# Allegro board 1281021_HW-FMC-XM500_Rev1_0.brd
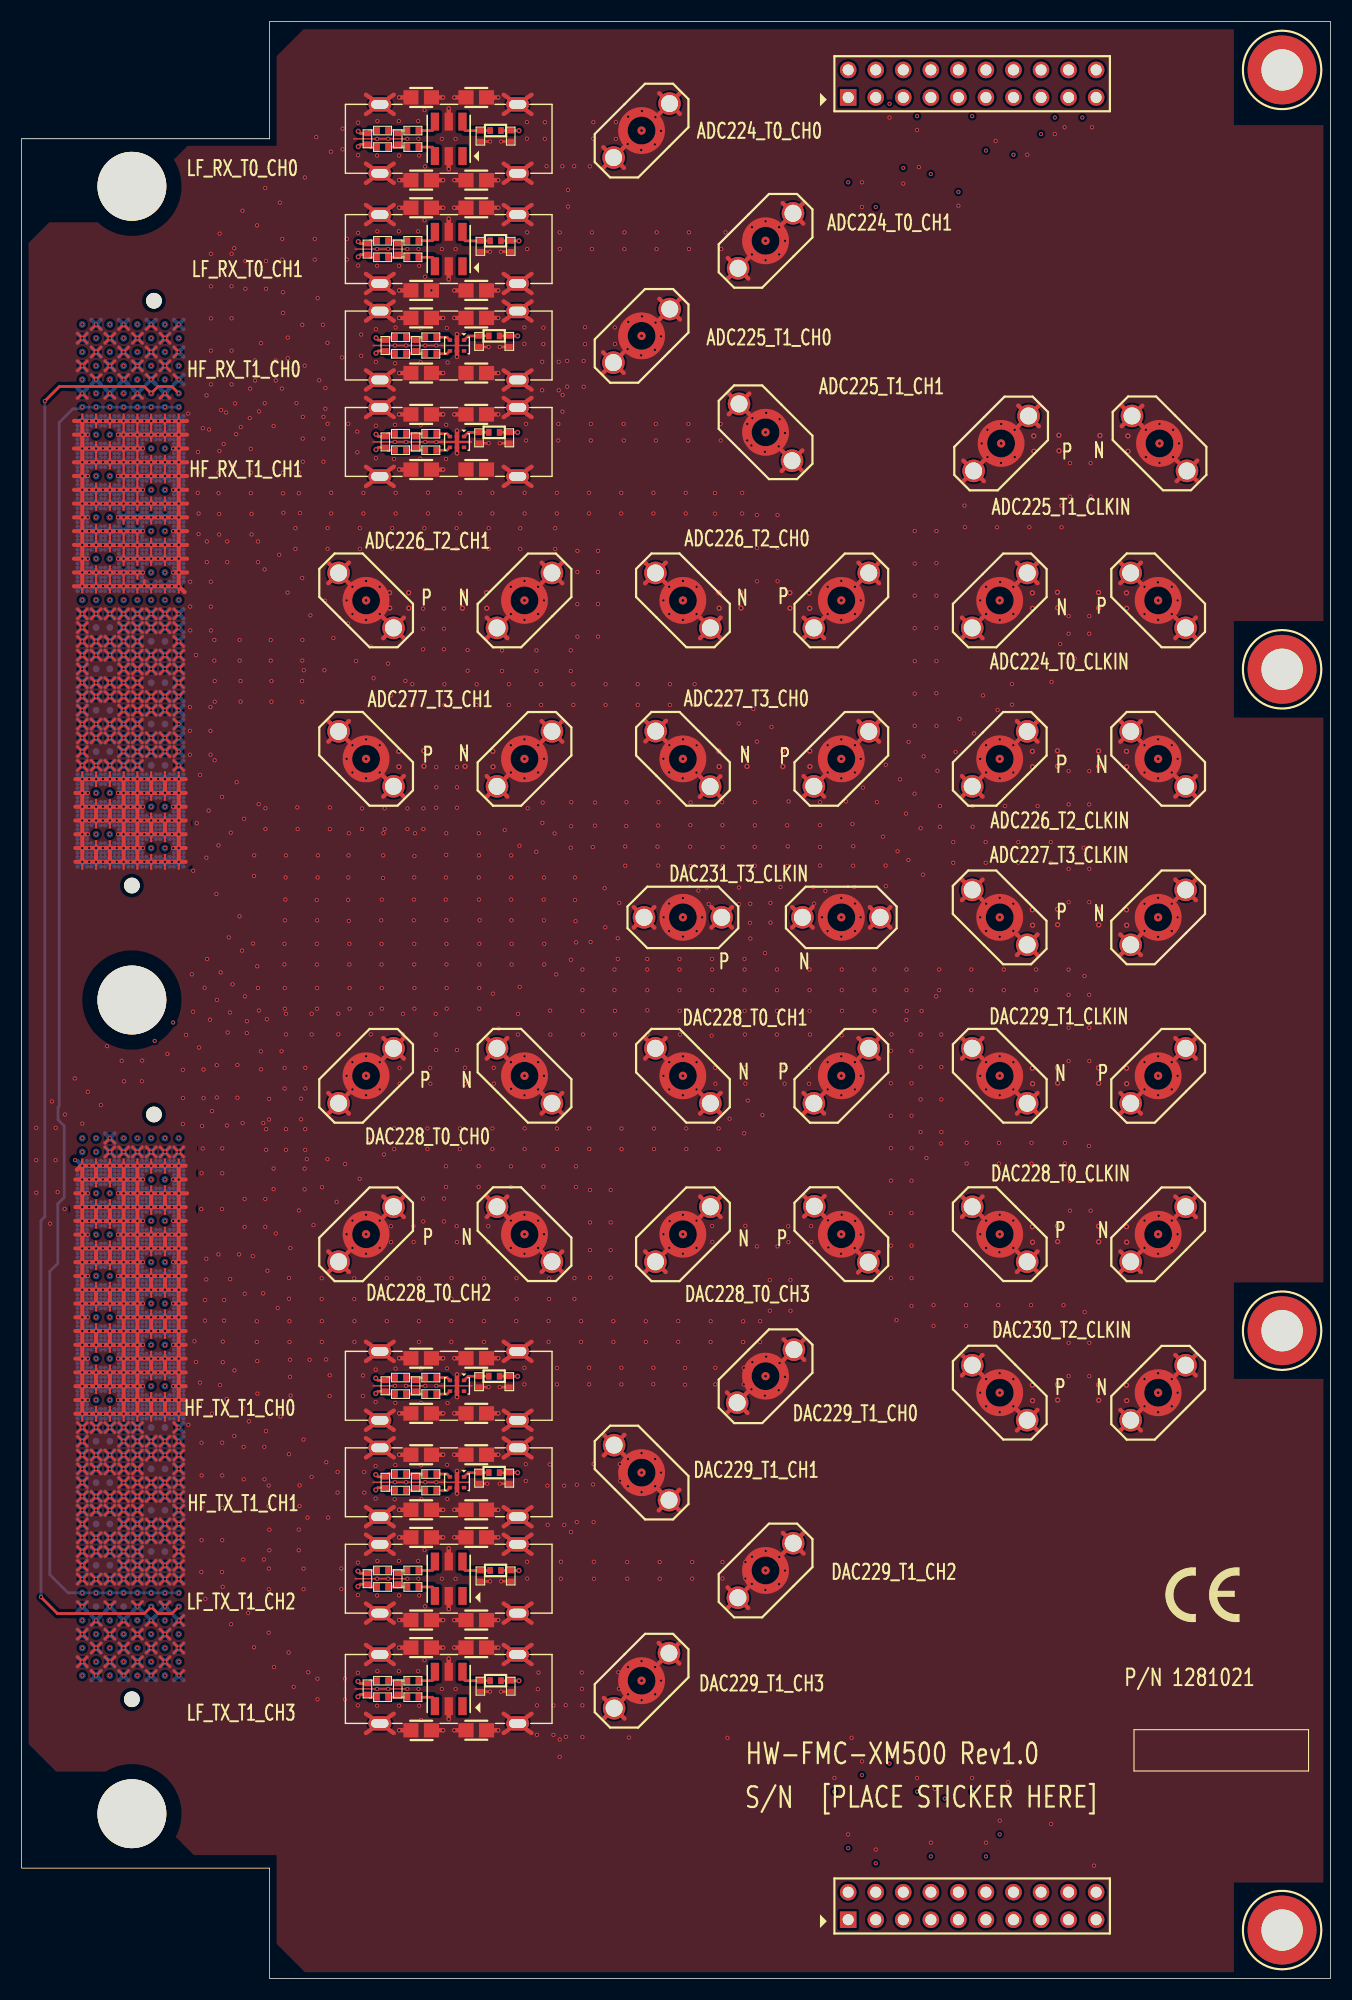
[diagram p0: board, top side]
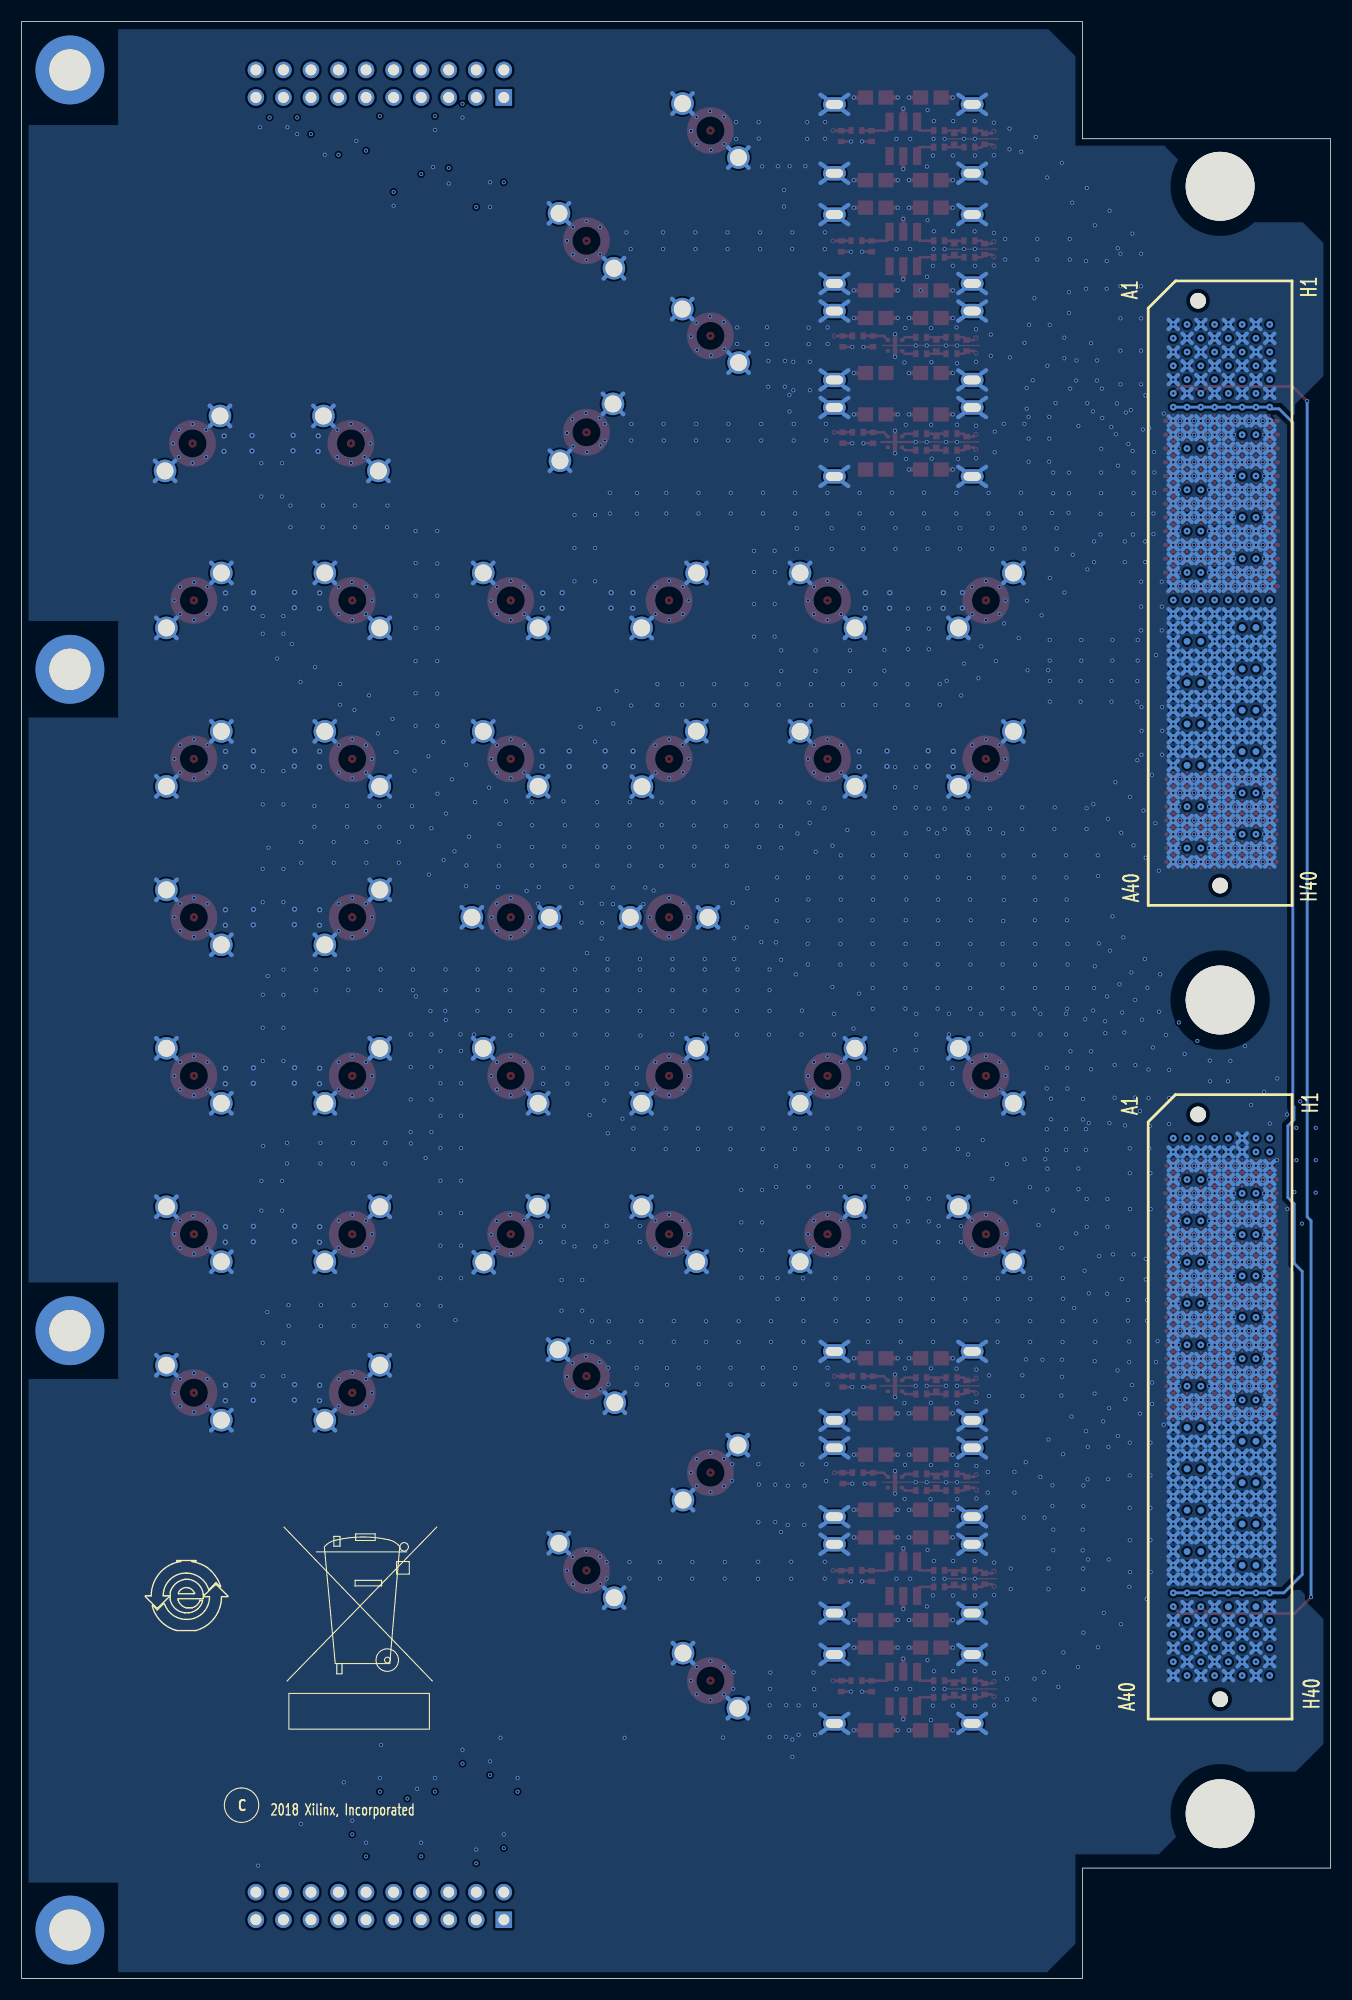
[diagram p1: board, bottom side, seen from below]

Outline 120.65 x 180.34 mm; copper layers: TOP, L02_GND/RF-SIG, L03_GND, L04_GND, L05_SIG, BOTTOM. Coordinates in mm from the lower left corner of the outline.
Outline path: 0,169.55 0,10.16 ; 0,169.55 22.86,169.55 ; 0,169.55 0,10.16 ; 0,169.55 22.86,169.55 ; 0,10.16 22.86,10.16 ; 0,10.16 22.86,10.16 ; 22.86,169.55 22.86,180.34 ; 22.86,169.55 22.86,180.34 ; 22.86,10.16 22.86,0 ; 22.86,10.16 22.86,0 ; 22.86,180.34 120.65,180.34 ; 22.86,180.34 120.65,180.34 ; 120.65,180.34 120.65,0 ; 120.65,180.34 120.65,0 ; 22.86,0 120.65,0 ; 22.86,0 120.65,0

## Design rules (mm)
constraint set DEFAULT: min track width 0.406, pair gap 0.28
net group ADC4567: nets RFMC_ADC_04_N RFMC_ADC_04_P RFMC_ADC_05_N RFMC_ADC_05_P RFMC_ADC_06_N RFMC_ADC_06_P RFMC_ADC_07_N RFMC_ADC_07_P
net group DAC0123: nets RFMC_DAC_00_N RFMC_DAC_00_P RFMC_DAC_01_N RFMC_DAC_01_P RFMC_DAC_02_N RFMC_DAC_02_P RFMC_DAC_03_N RFMC_DAC_03_P

## Placement (name value [footprint] x y rotation side)
C1  0.1UF  [0402]  37.72 46.48 180 top
C2  0.1UF  [0402]  37.72 44.96 180 top
C5  0.1UF  [0402]  37.72 55.37 180 top
C6  0.1UF  [0402]  37.72 53.85 180 top
C7  0.1UF  [0402]  36.07 25.91 180 top
C8  0.1UF  [0402]  36.07 27.43 180 top
C9  0.1UF  [0402]  36.07 36.07 180 top
C10  0.1UF  [0402]  36.07 37.59 180 top
C11  0.1UF  [0402]  37.72 142.37 180 top
C12  0.1UF  [0402]  37.72 140.84 180 top
C13  0.1UF  [0402]  37.72 151.26 180 top
C14  0.1UF  [0402]  37.72 149.73 180 top
C15  0.1UF  [0402]  36.07 158.62 180 top
C16  0.1UF  [0402]  36.07 160.15 180 top
C17  0.1UF  [0402]  36.07 168.78 180 top
C18  0.1UF  [0402]  36.07 170.31 180 top
J1  CON_SMA_SCREW_ON  [SMA_3P_MOLEX_73251185]  68.58 142.49 43 top
J2  CON_SMA_SCREW_ON  [SMA_3P_MOLEX_73251185]  57.15 151.38 313.6 top
J3  CON_SMA_SCREW_ON  [SMA_3P_MOLEX_73251185]  68.58 160.15 315 top
J4  CON_SMA_SCREW_ON  [SMA_3P_MOLEX_73251185]  57.15 170.31 314 top
J5  CON_SMA_SCREW_ON  [SMA_3P_MOLEX_73251185]  68.58 37.59 314.5 top
J6  CON_SMA_SCREW_ON  [SMA_3P_MOLEX_73251185]  57.15 27.43 315.1 top
J7  CON_SMA_SCREW_ON  [SMA_3P_MOLEX_73251185]  68.58 55.5 313.1 top
J8  CON_SMA_SCREW_ON  [SMA_3P_MOLEX_73251185]  57.15 46.61 225 top
J9  -  [HDR_2X10]  76.2 5.4 90 top
J10  -  [HDR_2X10]  76.2 173.36 90 top
J20  CON_SMA_SCREW_ON  [SMA_3P_MOLEX_73251185]  75.56 83.19 315 top
J21  CON_SMA_SCREW_ON  [SMA_3P_MOLEX_73251185]  60.96 83.19 225 top
J22  CON_SMA_SCREW_ON  [SMA_3P_MOLEX_73251185]  31.75 68.58 135 top
J23  CON_SMA_SCREW_ON  [SMA_3P_MOLEX_73251185]  46.36 68.58 225 top
J24  CON_SMA_SCREW_ON  [SMA_3P_MOLEX_73251185]  75.56 68.58 224 top
J25  CON_SMA_SCREW_ON  [SMA_3P_MOLEX_73251185]  60.96 68.58 315 top
J26  CON_SMA_SCREW_ON  [SMA_3P_MOLEX_73251185]  31.75 83.19 315 top
J27  CON_SMA_SCREW_ON  [SMA_3P_MOLEX_73251185]  46.36 83.19 225 top
J28  CON_SMA_SCREW_ON  [SMA_3P_MOLEX_73251185]  90.17 68.58 45 top
J29  CON_SMA_SCREW_ON  [SMA_3P_MOLEX_73251185]  104.77 68.58 135 top
J30  CON_SMA_SCREW_ON  [SMA_3P_MOLEX_73251185]  104.77 127 45 top
J31  CON_SMA_SCREW_ON  [SMA_3P_MOLEX_73251185]  90.17 127 315 top
J32  CON_SMA_SCREW_ON  [SMA_3P_MOLEX_73251185]  60.96 127 225 top
J33  CON_SMA_SCREW_ON  [SMA_3P_MOLEX_73251185]  75.56 127 135 top
J34  CON_SMA_SCREW_ON  [SMA_3P_MOLEX_73251185]  31.75 127 225 top
J35  CON_SMA_SCREW_ON  [SMA_3P_MOLEX_73251185]  46.36 127 135 top
J36  CON_SMA_SCREW_ON  [SMA_3P_MOLEX_73251185]  60.96 112.4 224.5 top
J37  CON_SMA_SCREW_ON  [SMA_3P_MOLEX_73251185]  75.56 112.4 315 top
J39  CON_SMA_SCREW_ON  [SMA_3P_MOLEX_73251185]  31.75 112.4 45 top
J40  CON_SMA_SCREW_ON  [SMA_3P_MOLEX_73251185]  46.36 112.4 135 top
J333  LPAM-40-010-S-08-2-K-TR  [LPAM_40_010_S_08_2_K_TR]  10.16 127.67 270 bottom
J888  LPAM-40-010-S-08-2-K-TR  [LPAM_40_010_S_08_2_K_TR]  10.16 52.67 270 bottom
J889  CON_SMA_SCREW_ON  [SMA_3P_MOLEX_73251185]  90.3 141.47 135 top
J890  CON_SMA_SCREW_ON  [SMA_3P_MOLEX_73251185]  104.9 141.47 45 top
J891  CON_SMA_SCREW_ON  [SMA_3P_MOLEX_73251185]  90.17 97.79 225 top
J892  CON_SMA_SCREW_ON  [SMA_3P_MOLEX_73251185]  104.77 97.79 315 top
J893  CON_SMA_SCREW_ON  [SMA_3P_MOLEX_73251185]  90.17 112.4 315 top
J894  CON_SMA_SCREW_ON  [SMA_3P_MOLEX_73251185]  104.77 112.4 45 top
J895  CON_SMA_SCREW_ON  [SMA_3P_MOLEX_73251185]  90.17 83.19 45 top
J896  CON_SMA_SCREW_ON  [SMA_3P_MOLEX_73251185]  104.77 83.19 135 top
J897  CON_SMA_SCREW_ON  [SMA_3P_MOLEX_73251185]  104.77 53.98 135 top
J898  CON_SMA_SCREW_ON  [SMA_3P_MOLEX_73251185]  90.17 53.98 45 top
J899  CON_SMA_SCREW_ON  [SMA_3P_MOLEX_73251185]  75.56 97.79 90 top
J900  CON_SMA_SCREW_ON  [SMA_3P_MOLEX_73251185]  60.96 97.79 90 top
MH11  MH_150_250  [MH_250H150]  116.2 4.45 0 top
MH12  MH_150_250  [MH_250H150]  116.2 59.69 0 top
MH13  MH_150_250  [MH_250H150]  116.2 120.65 0 top
MH14  MH_150_250  [MH_250H150]  116.2 175.9 0 top
MH15  MH_250_250  [MH_250HN250]  10.16 165.17 0 top
MH16  MH_250_250  [MH_250HN250]  10.16 90.17 0 top
MH17  MH_250_250  [MH_250HN250]  10.16 15.17 0 top
NOREF  -  []  0 10.16 90 top
NOREF#2  -  []  0 169.55 90 top
NOREF#3  -  []  22.86 0 90 top
NOREF#4  -  []  120.65 0 90 top
NOREF#5  -  []  22.86 180.34 0 top
NOREF#6  -  []  0 10.16 0 top
R1  5.6  [0402]  34.92 46.48 180 top
R3  1.74K  [0402]  36.32 45.72 270 top
R4  1.74K  [0402]  33.53 45.72 270 top
R7  5.6  [0402]  34.92 44.96 180 top
R13  5.6  [0402]  34.92 55.37 180 top
R14  1.74K  [0402]  36.32 54.61 270 top
R15  1.74K  [0402]  33.53 54.61 270 top
R18  5.6  [0402]  34.92 53.85 180 top
R20  17.4  [0402]  33.27 25.91 180 top
R22  590  [0402]  34.67 26.67 90 top
R23  590  [0402]  31.88 26.67 90 top
R26  17.4  [0402]  33.27 27.43 180 top
R28  17.4  [0402]  33.27 36.07 180 top
R30  590  [0402]  34.67 36.83 90 top
R31  590  [0402]  31.88 36.83 90 top
R34  17.4  [0402]  33.27 37.59 180 top
R35  5.6  [0402]  34.92 142.37 180 top
R37  1.74K  [0402]  36.32 141.6 270 top
R38  1.74K  [0402]  33.53 141.6 270 top
R41  5.6  [0402]  34.92 140.84 180 top
R43  5.6  [0402]  34.92 151.26 180 top
R44  1.74K  [0402]  36.32 150.5 270 top
R45  1.74K  [0402]  33.53 150.5 270 top
R48  5.6  [0402]  34.92 149.73 180 top
R49  17.4  [0402]  33.27 158.62 180 top
R51  590  [0402]  34.67 159.39 90 top
R52  590  [0402]  31.88 159.39 90 top
R55  17.4  [0402]  33.27 160.15 180 top
R57  17.4  [0402]  33.27 168.78 180 top
R58  590  [0402]  34.67 169.55 90 top
R59  590  [0402]  31.88 169.55 90 top
R62  17.4  [0402]  33.27 170.31 180 top
R63  DNP  [0805]  36.83 144.15 0 top
R64  DNP  [0805]  41.91 144.15 0 top
R65  DNP  [0805]  41.91 139.06 0 top
R66  DNP  [0805]  36.83 139.06 0 top
R67  DNP  [0805]  36.83 153.03 0 top
R68  DNP  [0805]  36.83 155.58 0 top
R69  DNP  [0805]  41.91 173.36 0 top
R70  DNP  [0805]  36.83 165.74 0 top
R71  DNP  [0805]  41.91 165.74 0 top
R72  DNP  [0805]  36.83 43.18 0 top
R73  DNP  [0805]  41.91 22.86 0 top
R74  DNP  [0805]  41.91 40.64 0 top
R75  DNP  [0805]  41.91 155.58 0 top
R76  DNP  [0805]  36.83 173.36 0 top
R77  DNP  [0805]  36.83 147.96 0 top
R78  DNP  [0805]  41.91 43.18 0 top
R79  DNP  [0805]  36.83 52.07 0 top
R80  DNP  [0805]  36.83 40.64 0 top
R81  DNP  [0805]  41.91 153.03 0 top
R82  DNP  [0805]  41.91 147.96 0 top
R83  DNP  [0805]  36.83 163.19 0 top
R84  DNP  [0805]  41.91 163.19 0 top
R85  DNP  [0805]  36.83 57.15 0 top
R86  DNP  [0805]  41.91 33.02 0 top
R87  DNP  [0805]  36.83 30.48 0 top
R88  DNP  [0805]  36.83 22.86 0 top
R89  DNP  [0805]  36.83 48.26 0 top
R90  DNP  [0805]  41.91 48.26 0 top
R91  DNP  [0805]  41.91 57.15 0 top
R92  DNP  [0805]  36.83 33.02 0 top
R93  DNP  [0805]  41.91 52.07 0 top
R94  DNP  [0805]  41.91 30.48 0 top
R95  DNP  [0402]  44.96 141.99 270 top
R96  DNP  [0402]  42.16 141.99 270 top
R97  DNP  [0402]  44.96 150.88 270 top
R98  DNP  [0402]  42.16 150.88 270 top
R99  DNP  [0402]  45.08 159.64 270 top
R100  DNP  [0402]  42.29 159.64 270 top
R101  DNP  [0402]  45.08 169.8 270 top
R102  DNP  [0402]  42.29 169.8 270 top
R103  DNP  [0402]  45.08 37.08 270 top
R104  DNP  [0402]  42.29 37.08 270 top
R105  DNP  [0402]  45.08 26.92 270 top
R106  DNP  [0402]  42.29 26.92 270 top
R107  DNP  [0402]  44.96 54.99 270 top
R108  DNP  [0402]  42.16 54.99 270 top
R109  DNP  [0402]  44.96 46.1 270 top
R110  DNP  [0402]  42.16 46.1 270 top
R111  0  [RESC100X50X40L25N]  43.56 46.61 180 top
R112  0  [RESC100X50X40L25N]  43.56 55.5 180 top
R113  0  [RESC100X50X40L25N]  43.69 27.43 180 top
R114  0  [RESC100X50X40L25N]  43.69 37.59 180 top
R115  0  [RESC100X50X40L25N]  43.69 170.31 180 top
R116  0  [RESC100X50X40L25N]  43.69 160.15 180 top
R117  0  [RESC100X50X40L25N]  43.56 151.38 180 top
R118  0  [RESC100X50X40L25N]  43.56 142.49 180 top
RFCAGE1  EMI_CAGE_RF  [RF-250-750]  31.75 35.56 90 top
RFCAGE2  EMI_CAGE_RF  [RF-250-750]  31.75 45.72 90 top
RFCAGE3  EMI_CAGE_RF  [RF-250-750]  31.75 54.61 90 top
RFCAGE4  EMI_CAGE_RF  [RF-250-750]  31.75 63.5 90 top
RFCAGE5  EMI_CAGE_RF  [RF-250-750]  31.75 150.5 90 top
RFCAGE6  EMI_CAGE_RF  [RF-250-750]  31.75 159.39 90 top
RFCAGE7  EMI_CAGE_RF  [RF-250-750]  31.75 168.28 90 top
RFCAGE8  EMI_CAGE_RF  [RF-250-750]  31.75 178.44 90 top
U1  BD1631J50100AHF  [BALUN_0805]  40.13 45.72 270 top
U3  BD1631J50100AHF  [BALUN_0805]  40.13 54.61 270 top
U4  TCM2-33WX+  [TRANS_DB1627]  39.37 26.67 270 top
U5  TCM2-33WX+  [TRANS_DB1627]  39.37 36.83 270 top
U6  BD1631J50100AHF  [BALUN_0805]  40.13 141.6 270 top
U7  BD1631J50100AHF  [BALUN_0805]  40.13 150.5 270 top
U8  TCM2-33WX+  [TRANS_DB1627]  39.37 159.39 270 top
U9  TCM2-33WX+  [TRANS_DB1627]  39.37 169.55 270 top

## Library data of the parts
C1 C2 C5-C18 = CAP_NP
J1-J8 J20-J37 J39 J40 J889-J900 = SMA-SCREW-ON
J9 J10 = HDR_2X10
J333 J888 = LPAM-40-010-S-08-2-K-TR
MH11-MH17 = HOLE
R1 R3 R4 R7 R13-R15 R18 R20 R22 R23 R26 R28 R30 R31 R34 R35 R37 R38 R41 R43-R45 R48 R49 R51 R52 R55 R57-R59 R62-R118 = RES
RFCAGE1-RFCAGE8 = MECH_RF_CAGE_25X75
U1 U3 U6 U7 = BD1631J50100AHF
U4 U5 U8 U9 = TCM2-33WX+

## Footprints (pads in the part's own frame, mm; a bottom-side part is the same pattern mirrored in y, then rotated)
0402
  rect 0.508x0.635 smd: 1(-0.5,0) 2(0.5,0)
0805
  rect 1.397x1.321 smd: 1(-0.946,0) 2(0.946,0)
BALUN_0805
  rect 0.33x0.406 smd: 1(-0.495,0.65) 2(-0.495,0) 3(-0.495,-0.65) 4(0.495,-0.65) 5(0.495,0) 6(0.495,0.65)
HDR_2X10
  rect 1.524x1.524 hole 1.016: 1(0,0)
  round 1.524 hole 1.016: 2(2.54,0) 3(0,-2.54) 4(2.54,-2.54) 5(0,-5.08) 6(2.54,-5.08) 7(0,-7.62) 8(2.54,-7.62) 9(0,-10.16) 10(2.54,-10.16) 11(0,-12.7) 12(2.54,-12.7) 13(0,-15.24) 14(2.54,-15.24) 15(0,-17.78) 16(2.54,-17.78) 17(0,-20.32) 18(2.54,-20.32) 19(0,-22.86) 20(2.54,-22.86)
LPAM_40_010_S_08_2_K_TR
  round 1.448 hole 1.448 unplated: (-26.949,-2.032) (26.949,0)
  round 0.635 smd: A1(-24.765,-4.318) A2(-23.495,-4.318) A3(-22.225,-4.318) A4(-20.955,-4.318) A5(-19.685,-4.318) A6(-18.415,-4.318) A7(-17.145,-4.318) A8(-15.875,-4.318) A9(-14.605,-4.318) A10(-13.335,-4.318) A11(-12.065,-4.318) A12(-10.795,-4.318) A13(-9.525,-4.318) A14(-8.255,-4.318) A15(-6.985,-4.318) A16(-5.715,-4.318) A17(-4.445,-4.318) A18(-3.175,-4.318) A19(-1.905,-4.318) A20(-0.635,-4.318) A21(0.635,-4.318) A22(1.905,-4.318) A23(3.175,-4.318) A24(4.445,-4.318) A25(5.715,-4.318) A26(6.985,-4.318) A27(8.255,-4.318) A28(9.525,-4.318) A29(10.795,-4.318) A30(12.065,-4.318) A31(13.335,-4.318) A32(14.605,-4.318) A33(15.875,-4.318) A34(17.145,-4.318) A35(18.415,-4.318) A36(19.685,-4.318) A37(20.955,-4.318) A38(22.225,-4.318) A39(23.495,-4.318) A40(24.765,-4.318) B1(-24.765,-3.048) B2(-23.495,-3.048) B3(-22.225,-3.048) B4(-20.955,-3.048) B5(-19.685,-3.048) B6(-18.415,-3.048) B7(-17.145,-3.048) B8(-15.875,-3.048) B9(-14.605,-3.048) B10(-13.335,-3.048) B11(-12.065,-3.048) B12(-10.795,-3.048) B13(-9.525,-3.048) B14(-8.255,-3.048) B15(-6.985,-3.048) B16(-5.715,-3.048) B17(-4.445,-3.048) B18(-3.175,-3.048) B19(-1.905,-3.048) B20(-0.635,-3.048) B21(0.635,-3.048) B22(1.905,-3.048) B23(3.175,-3.048) B24(4.445,-3.048) B25(5.715,-3.048) B26(6.985,-3.048) B27(8.255,-3.048) B28(9.525,-3.048) B29(10.795,-3.048) B30(12.065,-3.048) B31(13.335,-3.048) B32(14.605,-3.048) B33(15.875,-3.048) B34(17.145,-3.048) B35(18.415,-3.048) B36(19.685,-3.048) B37(20.955,-3.048) B38(22.225,-3.048) B39(23.495,-3.048) B40(24.765,-3.048) C1(-24.765,-1.778) C2(-23.495,-1.778) C3(-22.225,-1.778) C4(-20.955,-1.778) C5(-19.685,-1.778) C6(-18.415,-1.778) C7(-17.145,-1.778) C8(-15.875,-1.778) C9(-14.605,-1.778) C10(-13.335,-1.778) C11(-12.065,-1.778) C12(-10.795,-1.778) C13(-9.525,-1.778) C14(-8.255,-1.778) C15(-6.985,-1.778) C16(-5.715,-1.778) C17(-4.445,-1.778) C18(-3.175,-1.778) C19(-1.905,-1.778) C20(-0.635,-1.778) C21(0.635,-1.778) C22(1.905,-1.778) C23(3.175,-1.778) C24(4.445,-1.778) C25(5.715,-1.778) C26(6.985,-1.778) C27(8.255,-1.778) C28(9.525,-1.778) C29(10.795,-1.778) C30(12.065,-1.778) C31(13.335,-1.778) C32(14.605,-1.778) C33(15.875,-1.778) C34(17.145,-1.778) C35(18.415,-1.778) C36(19.685,-1.778) C37(20.955,-1.778) C38(22.225,-1.778) C39(23.495,-1.778) C40(24.765,-1.778) D1(-24.765,-0.508) D2(-23.495,-0.508) D3(-22.225,-0.508) D4(-20.955,-0.508) D5(-19.685,-0.508) D6(-18.415,-0.508) D7(-17.145,-0.508) D8(-15.875,-0.508) D9(-14.605,-0.508) D10(-13.335,-0.508) D11(-12.065,-0.508) D12(-10.795,-0.508) D13(-9.525,-0.508) D14(-8.255,-0.508) D15(-6.985,-0.508) D16(-5.715,-0.508) D17(-4.445,-0.508) D18(-3.175,-0.508) D19(-1.905,-0.508) D20(-0.635,-0.508) D21(0.635,-0.508) D22(1.905,-0.508) D23(3.175,-0.508) D24(4.445,-0.508) D25(5.715,-0.508) D26(6.985,-0.508) D27(8.255,-0.508) D28(9.525,-0.508) D29(10.795,-0.508) D30(12.065,-0.508) D31(13.335,-0.508) D32(14.605,-0.508) D33(15.875,-0.508) D34(17.145,-0.508) D35(18.415,-0.508) D36(19.685,-0.508) D37(20.955,-0.508) D38(22.225,-0.508) D39(23.495,-0.508) D40(24.765,-0.508) E1(-24.765,0.762) E2(-23.495,0.762) E3(-22.225,0.762) E4(-20.955,0.762) E5(-19.685,0.762) E6(-18.415,0.762) E7(-17.145,0.762) E8(-15.875,0.762) E9(-14.605,0.762) E10(-13.335,0.762) E11(-12.065,0.762) E12(-10.795,0.762) E13(-9.525,0.762) E14(-8.255,0.762) E15(-6.985,0.762) E16(-5.715,0.762) E17(-4.445,0.762) E18(-3.175,0.762) E19(-1.905,0.762) E20(-0.635,0.762) E21(0.635,0.762) E22(1.905,0.762) E23(3.175,0.762) E24(4.445,0.762) E25(5.715,0.762) E26(6.985,0.762) E27(8.255,0.762) E28(9.525,0.762) E29(10.795,0.762) E30(12.065,0.762) E31(13.335,0.762) E32(14.605,0.762) E33(15.875,0.762) E34(17.145,0.762) E35(18.415,0.762) E36(19.685,0.762) E37(20.955,0.762) E38(22.225,0.762) E39(23.495,0.762) E40(24.765,0.762) F1(-24.765,2.032) F2(-23.495,2.032) F3(-22.225,2.032) F4(-20.955,2.032) F5(-19.685,2.032) F6(-18.415,2.032) F7(-17.145,2.032) F8(-15.875,2.032) F9(-14.605,2.032) F10(-13.335,2.032) F11(-12.065,2.032) F12(-10.795,2.032) F13(-9.525,2.032) F14(-8.255,2.032) F15(-6.985,2.032) F16(-5.715,2.032) F17(-4.445,2.032) F18(-3.175,2.032) F19(-1.905,2.032) F20(-0.635,2.032) F21(0.635,2.032) F22(1.905,2.032) F23(3.175,2.032) F24(4.445,2.032) F25(5.715,2.032) F26(6.985,2.032) F27(8.255,2.032) F28(9.525,2.032) F29(10.795,2.032) F30(12.065,2.032) F31(13.335,2.032) F32(14.605,2.032) F33(15.875,2.032) F34(17.145,2.032) F35(18.415,2.032) F36(19.685,2.032) F37(20.955,2.032) F38(22.225,2.032) F39(23.495,2.032) F40(24.765,2.032) G1(-24.765,3.302) G2(-23.495,3.302) G3(-22.225,3.302) G4(-20.955,3.302) G5(-19.685,3.302) G6(-18.415,3.302) G7(-17.145,3.302) G8(-15.875,3.302) G9(-14.605,3.302) G10(-13.335,3.302) G11(-12.065,3.302) G12(-10.795,3.302) G13(-9.525,3.302) G14(-8.255,3.302) G15(-6.985,3.302) G16(-5.715,3.302) G17(-4.445,3.302) G18(-3.175,3.302) G19(-1.905,3.302) G20(-0.635,3.302) G21(0.635,3.302) G22(1.905,3.302) G23(3.175,3.302) G24(4.445,3.302) G25(5.715,3.302) G26(6.985,3.302) G27(8.255,3.302) G28(9.525,3.302) G29(10.795,3.302) G30(12.065,3.302) G31(13.335,3.302) G32(14.605,3.302) G33(15.875,3.302) G34(17.145,3.302) G35(18.415,3.302) G36(19.685,3.302) G37(20.955,3.302) G38(22.225,3.302) G39(23.495,3.302) G40(24.765,3.302) H1(-24.765,4.572) H2(-23.495,4.572) H3(-22.225,4.572) H4(-20.955,4.572) H5(-19.685,4.572) H6(-18.415,4.572) H7(-17.145,4.572) H8(-15.875,4.572) H9(-14.605,4.572) H10(-13.335,4.572) H11(-12.065,4.572) H12(-10.795,4.572) H13(-9.525,4.572) H14(-8.255,4.572) H15(-6.985,4.572) H16(-5.715,4.572) H17(-4.445,4.572) H18(-3.175,4.572) H19(-1.905,4.572) H20(-0.635,4.572) H21(0.635,4.572) H22(1.905,4.572) H23(3.175,4.572) H24(4.445,4.572) H25(5.715,4.572) H26(6.985,4.572) H27(8.255,4.572) H28(9.525,4.572) H29(10.795,4.572) H30(12.065,4.572) H31(13.335,4.572) H32(14.605,4.572) H33(15.875,4.572) H34(17.145,4.572) H35(18.415,4.572) H36(19.685,4.572) H37(20.955,4.572) H38(22.225,4.572) H39(23.495,4.572) H40(24.765,4.572)
MH_250H150
  round 6.35 hole 3.81: 1(0,0)
MH_250HN250
  round 6.35 hole 6.35 unplated: (0,0)
RESC100X50X40L25N
  rect 0.508x0.635 smd: 1(-0.5,0) 2(0.5,0)
RF-250-750
  oval 1.321x2.108 hole 0.813x1.6: 1(-12.065,-1.27) 2(-12.065,-13.97) 3(-5.715,-13.97) 4(-5.715,-1.27)
SMA_3P_MOLEX_73251185
  round 0.762 smd: 1(0,0)
  round 2.083 hole 1.575: 2(0,3.581) 3(0,-3.581)
TRANS_DB1627
  rect 1.651x0.762 smd: 1(1.587,1.27) 2(1.587,0) 3(1.587,-1.27) 4(-1.587,-1.27) 5(-1.587,0) 6(-1.587,1.27)

## Nets
AGND: J1.2 J1.3 J2.2 J2.3 J3.2 J3.3 J4.2 J4.3 J5.2 J5.3 J6.2 J6.3 J7.2 J7.3 J8.2 J8.3 J20.2 J20.3 J21.2 J21.3 J22.2 J22.3 J23.2 J23.3 J24.2 J24.3 J25.2 J25.3 J26.2 J26.3 J27.2 J27.3 J28.2 J28.3 J29.2 J29.3 J30.2 J30.3 J31.2 J31.3 J32.2 J32.3 J33.2 J33.3 J34.2 J34.3 J35.2 J35.3 J36.2 J36.3 J37.2 J37.3 J39.2 J39.3 J40.2 J40.3 J333.A1 J333.A3 J333.A5 J333.A8 J333.A9 J333.A10 J333.A11 J333.A12 J333.A13 J333.A14 J333.A15 J333.A16 J333.A17 J333.A18 J333.A19 J333.A20 J333.A22 J333.A23 J333.A24 J333.A25 J333.A26 J333.A27 J333.A28 J333.A29 J333.A30 J333.A31 J333.A32 J333.A33 J333.A34 J333.A35 J333.A36 J333.A37 J333.A38 J333.A39 J333.A40 J333.B2 J333.B4 J333.B6 J333.B8 J333.B9 J333.B11 J333.B12 J333.B14 J333.B15 J333.B17 J333.B18 J333.B20 J333.B22 J333.B23 J333.B25 J333.B26 J333.B28 J333.B29 J333.B31 J333.B32 J333.B34 J333.B35 J333.B37 J333.B38 J333.B40 J333.C1 J333.C3 J333.C5 J333.C8 J333.C9 J333.C11 J333.C12 J333.C14 J333.C15 J333.C17 J333.C18 J333.C20 J333.C22 J333.C23 J333.C25 J333.C26 J333.C28 J333.C29 J333.C31 J333.C32 J333.C34 J333.C35 J333.C37 J333.C38 J333.C40 J333.D2 J333.D4 J333.D6 J333.D8 J333.D9 J333.D10 J333.D11 J333.D12 J333.D13 J333.D14 J333.D15 J333.D16 J333.D17 J333.D18 J333.D19 J333.D20 J333.D22 J333.D23 J333.D24 J333.D25 J333.D26 J333.D27 J333.D28 J333.D29 J333.D30 J333.D31 J333.D32 J333.D33 J333.D34 J333.D35 J333.D36 J333.D37 J333.D38 J333.D39 J333.D40 J333.E1 J333.E3 J333.E5 J333.E8 J333.E9 J333.E10 J333.E11 J333.E12 J333.E13 J333.E14 J333.E15 J333.E16 J333.E17 J333.E18 J333.E19 J333.E20 J333.E22 J333.E23 J333.E24 J333.E25 J333.E26 J333.E27 J333.E28 J333.E29 J333.E30 J333.E31 J333.E32 J333.E33 J333.E34 J333.E35 J333.E36 J333.E37 J333.E38 J333.E39 J333.E40 J333.F2 J333.F4 J333.F6 J333.F8 J333.F10 J333.F11 J333.F13 J333.F14 J333.F16 J333.F17 J333.F19 J333.F20 J333.F22 J333.F24 J333.F25 J333.F27 J333.F28 J333.F30 J333.F31 J333.F33 J333.F34 J333.F36 J333.F37 J333.F39 J333.F40 J333.G1 J333.G3 J333.G5 J333.G8 J333.G10 J333.G11 J333.G13 J333.G14 J333.G16 J333.G17 J333.G19 J333.G20 J333.G22 J333.G24 J333.G25 J333.G27 J333.G28 J333.G30 J333.G31 J333.G33 J333.G34 J333.G36 J333.G37 J333.G39 J333.G40 J333.H2 J333.H4 J333.H6 J333.H8 J333.H9(9) J333.H10 J333.H11 J333.H12 J333.H13 J333.H14 J333.H15 J333.H16 J333.H17 J333.H18 J333.H19 J333.H20 J333.H22 J333.H23 J333.H24 J333.H25 J333.H26 J333.H27 J333.H28 J333.H29 J333.H30 J333.H31 J333.H32 J333.H33 J333.H34 J333.H35 J333.H36 J333.H37 J333.H38 J333.H39 J333.H40 J888.A2 J888.A3 J888.A4 J888.A5 J888.A6 J888.A7 J888.A8 J888.A9 J888.A10 J888.A11 J888.A12 J888.A13 J888.A14 J888.A15 J888.A16 J888.A17 J888.A18 J888.A19 J888.A20 J888.A21 J888.A22 J888.A23 J888.A24 J888.A25 J888.A26 J888.A27 J888.A28 J888.A29 J888.A30 J888.A31 J888.A32 J888.A33 J888.A36 J888.A38 J888.A40 J888.B2 J888.B3 J888.B5 J888.B6 J888.B8 J888.B9 J888.B11 J888.B12 J888.B14 J888.B15 J888.B17 J888.B18 J888.B20 J888.B21 J888.B23 J888.B24 J888.B26 J888.B27 J888.B29 J888.B30 J888.B32 J888.B33 J888.B35 J888.B37 J888.B39 J888.C2 J888.C3 J888.C5 J888.C6 J888.C8 J888.C9 J888.C11 J888.C12 J888.C14 J888.C15 J888.C17 J888.C18 J888.C20 J888.C21 J888.C23 J888.C24 J888.C26 J888.C27 J888.C29 J888.C30 J888.C32 J888.C33 J888.C36 J888.C38 J888.C40 J888.D2 J888.D3 J888.D4 J888.D5 J888.D6 J888.D7 J888.D8 J888.D9 J888.D10 J888.D11 J888.D12 J888.D13 J888.D14 J888.D15 J888.D16 J888.D17 J888.D18 J888.D19 J888.D20 J888.D21 J888.D22 J888.D23 J888.D24 J888.D25 J888.D26 J888.D27 J888.D28 J888.D29 J888.D30 J888.D31 J888.D32 J888.D33 J888.D35 J888.D37 J888.D39 J888.E2 J888.E3 J888.E4 J888.E5 J888.E6 J888.E7 J888.E8 J888.E9 J888.E10 J888.E11 J888.E12 J888.E13 J888.E14 J888.E15 J888.E16 J888.E17 J888.E18 J888.E19 J888.E20 J888.E21 J888.E22 J888.E23 J888.E24 J888.E25 J888.E26 J888.E27 J888.E28 J888.E29 J888.E30 J888.E31 J888.E32 J888.E33 J888.E36 J888.E38 J888.E40 J888.F1 J888.F2 J888.F3 J888.F4 J888.F6 J888.F7 J888.F9 J888.F10 J888.F12 J888.F13 J888.F15 J888.F16 J888.F18 J888.F19 J888.F21 J888.F22 J888.F24 J888.F25 J888.F27 J888.F28 J888.F30 J888.F31 J888.F33 J888.F35 J888.F37 J888.F39 J888.G3 J888.G4 J888.G6 J888.G7 J888.G9 J888.G10 J888.G12 J888.G13 J888.G15 J888.G16 J888.G18 J888.G19 J888.G21 J888.G22 J888.G24 J888.G25 J888.G27 J888.G28 J888.G30 J888.G31 J888.G33 J888.G36 J888.G38 J888.G40 J888.H3 J888.H4 J888.H5 J888.H6 J888.H7 J888.H8 J888.H9(9) J888.H10 J888.H11 J888.H12 J888.H13 J888.H14 J888.H15 J888.H16 J888.H17 J888.H18 J888.H19 J888.H20 J888.H21 J888.H22 J888.H23 J888.H24 J888.H25 J888.H26 J888.H27 J888.H28 J888.H29 J888.H30 J888.H31 J888.H32 J888.H33 J888.H35 J888.H37 J888.H39 J889.2 J889.3 J890.2 J890.3 J891.2 J891.3 J892.2 J892.3 J893.2 J893.3 J894.2 J894.3 J895.2 J895.3 J896.2 J896.3 J897.2 J897.3 J898.2 J898.3 J899.2 J899.3 J900.2 J900.3 R63.1 R63.2 R64.1 R64.2 R65.1 R65.2 R66.1 R66.2 R67.1 R67.2 R68.1 R68.2 R69.1 R69.2 R70.1 R70.2 R71.1 R71.2 R72.1 R72.2 R73.1 R73.2 R74.1 R74.2 R75.1 R75.2 R76.1 R76.2 R77.1 R77.2 R78.1 R78.2 R79.1 R79.2 R80.1 R80.2 R81.1 R81.2 R82.1 R82.2 R83.1 R83.2 R84.1 R84.2 R85.1 R85.2 R86.1 R86.2 R87.1 R87.2 R88.1 R88.2 R89.1 R89.2 R90.1 R90.2 R91.1 R91.2 R92.1 R92.2 R93.1 R93.2 R94.1 R94.2 R95.2 R96.2 R97.2 R98.2 R99.2 R100.2 R101.2 R102.2 R103.2 R104.2 R105.2 R106.2 R107.2 R108.2 R109.2 R110.2 RFCAGE1.1 RFCAGE1.2 RFCAGE1.3 RFCAGE1.4(GND4) RFCAGE2.1 RFCAGE2.2 RFCAGE2.3 RFCAGE2.4(GND4) RFCAGE3.1 RFCAGE3.2 RFCAGE3.3 RFCAGE3.4(GND4) RFCAGE4.1 RFCAGE4.2 RFCAGE4.3 RFCAGE4.4(GND4) RFCAGE5.1 RFCAGE5.2 RFCAGE5.3 RFCAGE5.4(GND4) RFCAGE6.1 RFCAGE6.2 RFCAGE6.3 RFCAGE6.4(GND4) RFCAGE7.1 RFCAGE7.2 RFCAGE7.3 RFCAGE7.4(GND4) RFCAGE8.1 RFCAGE8.2 RFCAGE8.3 RFCAGE8.4(GND4) U1.2 U1.5 U3.2 U3.5 U4.2 U4.5 U5.2 U5.5 U6.2 U6.5 U7.2 U7.5 U8.2 U8.5 U9.2 U9.5